# KiCad board BalloonMotherboardV4.1.kicad_pcb (continued)
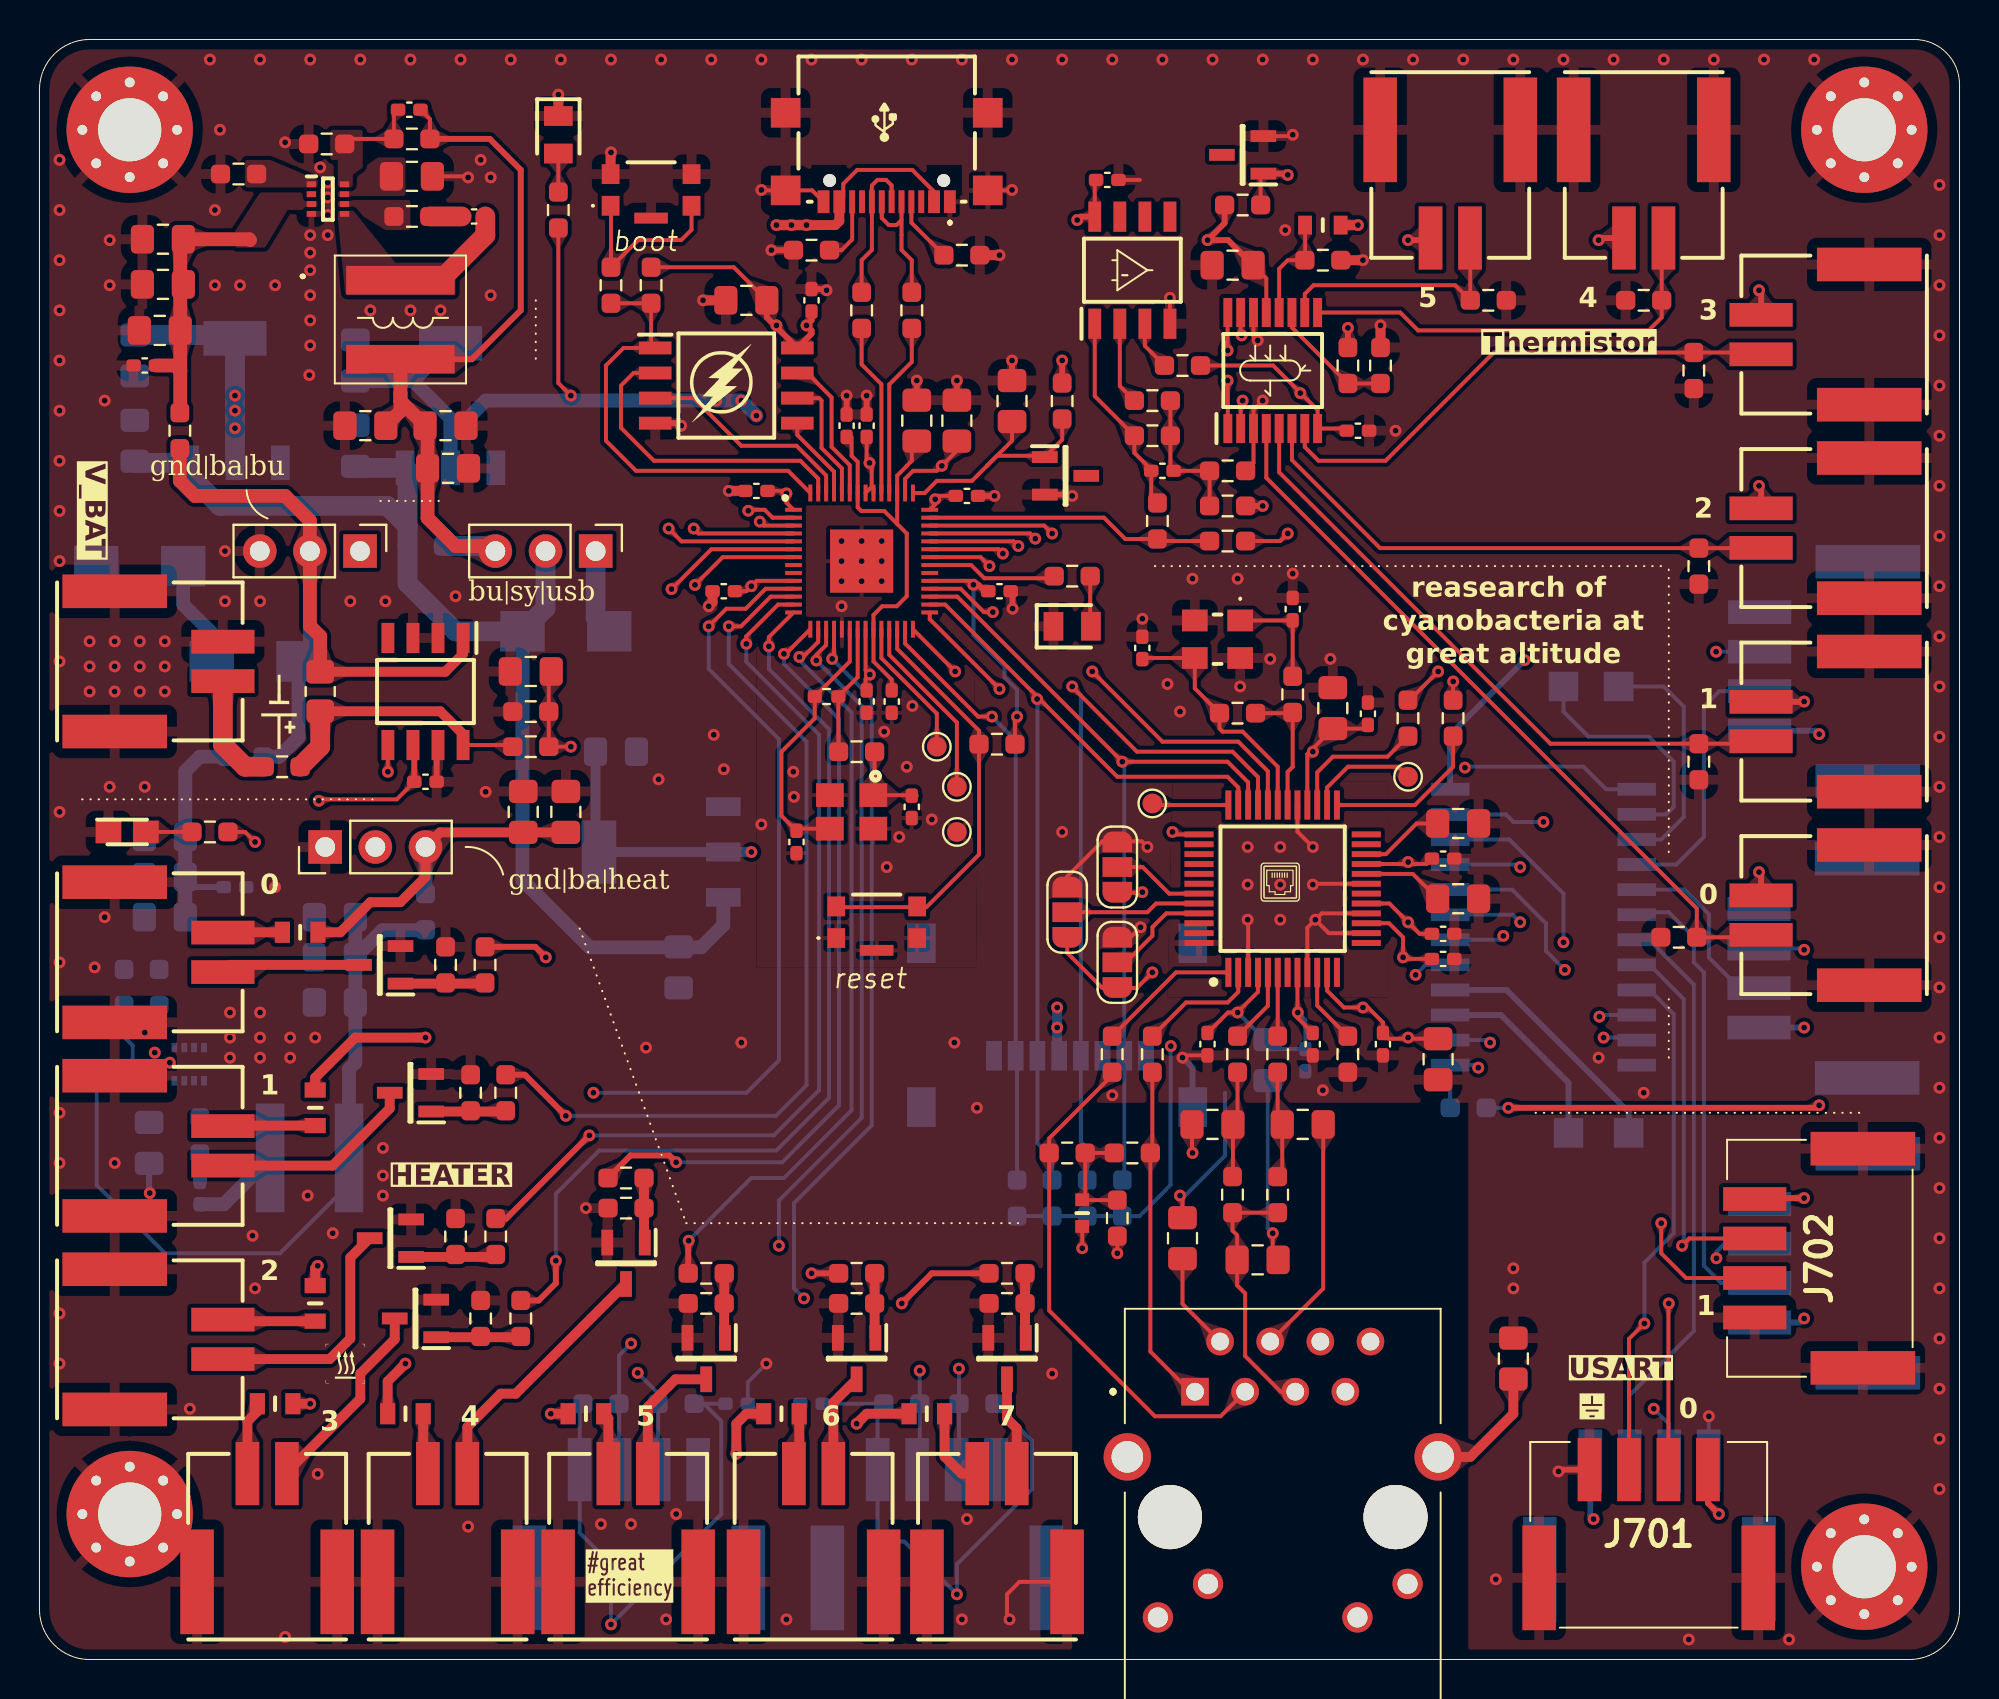
[diagram p0: board, top side]
## Placement (name value [footprint] x y rotation side) (continued)
Y501  ECS-250-6-33B2-CTP-TR  [ECS250633B2CTPTR]  59.69 51.67 180 top

## Library data of the parts
5sys0 5sys201 = -: Description: Light emitting diode; Height: 1.2; Mouser Part Number: 604-APTD2012LCGCK; Mouser Price/Stock: https://www.mouser.co.uk/ProductDetail/Kingbright/APTD2012LCGCK?qs=AQlKX63v8RvNHN%2F9EGvNTg%3D%3D; Manufacturer_Name: Kingbright; ki_fp_filters: LED* LED_SMD:* LED_THT:*
bat201 = -: Description: Light emitting diode; Height: 1.2; Mouser Part Number: 604-APTD2012LSURCK; Mouser Price/Stock: https://www.mouser.co.uk/ProductDetail/Kingbright/APTD2012LSURCK?qs=AQlKX63v8RvkMadNvwbkxw%3D%3D; Manufacturer_Name: Kingbright; ki_fp_filters: LED* LED_SMD:* LED_THT:*
BUCK201 BUCK601 = -: Datasheet: https://www.ti.com/lit/ds/symlink/tps62933.pdf?ts=1626073394234; Description: The TPS62933 is a high-efficiency, easy-to-use synchronous buck converter with a wide input voltage range of 3.8 V to 30 V; Height: 0.6; Mouser Part Number: 595-TPS62933DRLR; Mouser Price/Stock: https://www.mouser.co.uk/ProductDetail/Texas-Instruments/TPS62933DRLR?qs=Rp5uXu7WBW9fv47wfQVntQ%3D%3D; Manufacturer_Name: Texas Instruments
BuckJmp201 BuckJmp601 JB_or_U201 = -: Description: Generic connector, single row, 01x03, script generated (kicad-library-utils/schlib/autogen/connector/); ki_fp_filters: Connector*:*_1x??_*
C201-C218 C301-C317 C401-C404 C501-C520 C601 C604-C613 = -: Description: Unpolarized capacitor; ki_fp_filters: C_*
D201-D203 = -: Description: Zener diode; Height: 2.45; Mouser Part Number: 755-RBR2LB60BTBR1; Mouser Price/Stock: https://www.mouser.co.uk/ProductDetail/ROHM-Semiconductor/RBR2LB60BTBR1?qs=amGC7iS6iy9Lm0eQxx5KdA%3D%3D; Manufacturer_Name: ROHM Semiconductor; ki_fp_filters: TO-???* *_Diode_* *SingleDiode* D_*
F601-F608 = -: Description: Fuse, small symbol; Height: 0.7; Mouser Part Number: 652-MF-FSML100/8-2; Mouser Price/Stock: https://www.mouser.co.uk/ProductDetail/Bourns/MF-FSML100-8-2?qs=EBDBlbfErPzIwKpEUXHByQ%3D%3D; Manufacturer_Name: Bourns; Manufacturer_Part_Number: MF-FSML100/8-2; ki_fp_filters: *Fuse*
FB501 = -: Description: Ferrite bead; Height: 0.95; Mouser Part Number: 81-BLM18SP102SZ1D; Mouser Price/Stock: https://www.mouser.co.uk/ProductDetail/Murata-Electronics/BLM18SP102SZ1D?qs=W%2FMpXkg%252BdQ7HBmR7E%252BlIwg%3D%3D; Manufacturer_Name: Murata Electronics; ki_fp_filters: Inductor_* L_* *Ferrite*
FLA301 = -: Datasheet: http://www.winbond.com/resource-files/w25q128jv_dtr%20revc%2003272018%20plus.pdf; Description: 128Mb Serial Flash Memory, Standard/Dual/Quad SPI, SOIC-8; ki_fp_filters: SOIC*5.23x5.23mm*P1.27mm*
GPIO301 GPIO302 J701-J706 = -: Datasheet: https://www.molex.com/webdocs/datasheets/pdf/en-us/5023520400_PCB_HEADERS.pdf; Description: Molex DURACLIK 502352, 2mm Pitch, 4 Way, 1 Row, Right Angle PCB Header, Surface Mount; Height: 6; Mouser Part Number: 538-502352-0400; Mouser Price/Stock: https://www.mouser.co.uk/ProductDetail/Molex/502352-0400?qs=trbuaetfxXR36zZJ3J6CsQ%3D%3D; Manufacturer_Name: Molex
H0_M101 H2_M101 H2_M102 H3_M101 = -: Description: Mounting Hole with connection; ki_fp_filters: MountingHole*Pad*
HEAT_CON601-HEAT_CON608 NTC401-NTC406 = -: Description: Generic connectable mounting pin connector, single row, 01x02, script generated (kicad-library-utils/schlib/autogen/connector/); Mouser Part Number: 538-502352-0200; Mouser Price/Stock: https://www.mouser.co.uk/ProductDetail/Molex/502352-0200?qs=cPOO8qjhL6OPJnOOkJoW%252Bw%3D%3D; Manufacturer_Name: Molex; ki_fp_filters: Connector*:*_1x??-1MP*
IC201 = -: Datasheet: http://www.ti.com/lit/gpn/INA240-Q1; Description: AEC-Q100, 80V, Low-/High-Side, Bi-Directional, Zero-Drift, CSA w/Enhanced PWM Rejection; Height: 1.75; Mouser Part Number: 595-INA240A3EDRQ1; Mouser Price/Stock: https://www.mouser.co.uk/ProductDetail/Texas-Instruments/INA240A3EDRQ1?qs=yBt6ao%2FxsTxM2fxxT9CMIw%3D%3D; Manufacturer_Name: Texas Instruments
inrushcurrentlimit201 J0 J5-J7 J201 J401 R0 R201-R209 R307-R310 R313 R314 R401-R411 R413 R505-R518 R601-R605 = -: Description: Resistor, small symbol; ki_fp_filters: R_*
J501 = -: Datasheet: http://wizwiki.net/wiki/lib/exe/fetch.php?media=products:wiz550web:wiz550webds_kr:j1b1211ccd.pdf; Description: LAN Transformer Jack, RJ45, 10/100 BaseT; Mouser Part Number: 950-J1B1211CCD; ki_fp_filters: RJ45*Wuerth*7499010121A*
JH501-JH503 = -: Description: Jumper, 3-pole, pins 1+2 closed/bridged; ki_fp_filters: Jumper* TestPoint*3Pads* TestPoint*Bridge*
L101 = -: Description: Mounting Hole without connection; ki_fp_filters: MountingHole*
L201 L601 = -: Description: Inductor, small symbol; Height: 6.1; Mouser Part Number: 710-74439346068; Mouser Price/Stock: https://www.mouser.co.uk/ProductDetail/Wurth-Elektronik/74439346068?qs=NSAOzM2zc%2FVj5BeHYKNgfQ%3D%3D; Manufacturer_Name: Wurth Elektronik; ki_fp_filters: Choke_* *Coil* Inductor_* L_*
LAN501 = -: Datasheet: http://wizwiki.net/wiki/lib/exe/fetch.php?media=products:w5500:w5500_ds_v106e_141230.pdf; Description: Ethernet ICs 3in1 Enet Controller TCP/IP +MAC+PHY; Height: 1.6; Mouser Part Number: 950-W5500; Mouser Price/Stock: https://www.mouser.co.uk/ProductDetail/WIZnet/W5500?qs=2vh%252B45pPFtzthUpYPd4pqA%3D%3D; Manufacturer_Name: WIZnet Inc
LRlan201 LRre201 LRuC201 = -: Datasheet: http://www.onsemi.com/pub/Collateral/NCP1117-D.PDF; Description: ON SEMICONDUCTOR - NCP1117ST33T3G - IC, LINEAR VOLTAGE REGULATOR; Height: 1.8; Mouser Part Number: 863-NCP1117ST33T3G; Mouser Price/Stock: https://www.mouser.co.uk/ProductDetail/onsemi/NCP1117ST33T3G?qs=Gev%252BmEvV0iZb%2FE8ahUDx3w%3D%3D; Manufacturer_Name: onsemi
MUX401 = -: Datasheet: http://www.ti.com/lit/ds/symlink/tmux1108.pdf; Description: Analog Switch ICs 5V / +/-2.5V, 8:1, low-leakage precision multiplexer 16-TSSOP -40 to 125; Height: 1.2; Mouser Part Number: 595-TMUX1108PWR; Mouser Price/Stock: https://www.mouser.co.uk/ProductDetail/Texas-Instruments/TMUX1108PWR?qs=PqoDHHvF6486MXIgK4oQ5g%3D%3D; Manufacturer_Name: Texas Instruments
OP401 = -: Description: Dual operational amplifier; Sim.Name: kicad_builtin_opamp_dual; Sim.Device: SUBCKT; Sim.Pins: 1=out1 2=in1- 3=in1+ 4=vee 5=in2+ 6=in2- 7=out2 8=vcc; ki_fp_filters: SOIC*3.9x4.9mm*P1.27mm* DIP*W7.62mm* MSOP*3x3mm*P0.65mm* SSOP*2.95x2.8mm*P0.65mm* TSSOP*3x3mm*P0.65mm* VSSOP*P0.5mm* TO?99*
Q601-Q608 = -: Datasheet: https://www.infineon.com/dgdl/irlml6344pbf.pdf?fileId=5546d462533600a4015356689c44262c; Description: IRLML6344TRPBF N-channel MOSFET Transistor, 5 A, 30 V, 3-Pin SOT-23; Height: 1.12; Mouser Part Number: 942-IRLML6344TRPBF; Mouser Price/Stock: https://www.mouser.co.uk/ProductDetail/Infineon-Technologies/IRLML6344TRPBF?qs=9%252BKlkBgLFf2w4qS48UOXVw%3D%3D; Manufacturer_Name: Infineon
R301-R306 R311 R312 R501-R504 R607-R622 R701 = -: Description: Resistor; ki_fp_filters: R_*
R412 = -: Description: Zdiode Cur limiter; ki_fp_filters: R_*
R_shunt201 = -: Datasheet: https://www.mouser.de/ProductDetail/Wurth-Elektronik/580060720008?qs=unwgFEO1A6tt8z0EuZ69zQ%3D%3D; Description: Resistor, small symbol; Mouser Part Number: 710-580060720008; ki_fp_filters: R_*
RT401 = -: Description: Temperature dependent resistor, negative temperature coefficient; Height: 0.9; Mouser Part Number: 810-NTCGS163JF103FT8; Mouser Price/Stock: https://www.mouser.co.uk/ProductDetail/TDK/NTCGS163JF103FT8?qs=dbcCsuKDzFU4pk95bZlq7w%3D%3D; Manufacturer_Name: TDK; ki_fp_filters: *NTC* *Thermistor* PIN?ARRAY* bornier* *Terminal?Block* R_*
S_BOOT301 S_RES301 = -: Datasheet: https://www.we-online.com/catalog/datasheet/435441019830.pdf; Description: Tactile Switches WS-TASV Tact Switch Washable 4.1x2.8x1.9 mm SMT; Height: 1.9; Mouser Part Number: 710-435441019830; Mouser Price/Stock: https://www.mouser.co.uk/ProductDetail/Wurth-Elektronik/435441019830?qs=ufv2HEpFn%252BQgnhl%2FsZ0Vfw%3D%3D; Manufacturer_Name: Wurth Elektronik
SD501 = -: Datasheet: https://www.we-online.de/katalog/datasheet/693072010801.pdf; Description: Micro SD Card Socket; Mouser Part Number: 710-693072010801; ki_fp_filters: microSD*
TP301-TP303 TP501 TP502 TP701-TP704 = -: Description: test point; ki_fp_filters: Pin* Test*
U701 = -: Datasheet: http://www.ti.com/lit/ds/symlink/cd4097b.pdf; Description: CMOS double 8-channel analog multiplexer/demultiplexer, TSSOP-24/DIP-24/SOIC-24; ki_fp_filters: TSSOP*4.4x7.8mm*P0.65mm* SOIC*7.5*15.4*1.27mm* SO*5.3x15.0mm*P1.27mm* DIP*15.24mm*
uC301 = -: Description: Microcontrollers connect the world of software to the world of hardware. They allow developers to write software which interacts with the physical world in the same deterministic, cycle-accurate manner as digital logic. They occupy the bottom left corner of the price/performance space, outselling their more powerful brethren by a factor of ten to one. They are the workhorses that power the digital transformation of our world.; Height: 0.9; Mouser Part Number: 358-SC09147; Mouser Price/Stock: https://www.mouser.co.uk/ProductDetail/Raspberry-Pi/SC09147?qs=T%252BzbugeAwjhSpdbCB4ve%252Bg%3D%3D; Manufacturer_Name: RASPBERRY-PI; Manufacturer_Part_Number: SC0914(7)
USB_C301 = -: Datasheet: https://cdn.amphenol-cs.com/media/wysiwyg/files/drawing/gsb1c41x10sshr-ax1.pdf; Description: USB2.0, Type C, Top mount, Center Height 1.63mm, Single Row Surface Mount; Height: 3.41; Manufacturer_Name: Amphenol Communications Solutions
V_BAT201 = -: Description: Generic connector, single row, 01x04, script generated; Mouser Part Number: 538-502352-0200; Mouser Price/Stock: https://www.mouser.co.uk/ProductDetail/Molex/502352-0200?qs=cPOO8qjhL6OPJnOOkJoW%252Bw%3D%3D; Manufacturer_Name: Molex; ki_fp_filters: Connector*:*_1x??_*
Vref301 = -: Datasheet: http://www.ti.com/lit/gpn/lm4040-n; Description: Zener diode; Height: 1.12; Mouser Part Number: 926-LM4040BIM330NOPB; Mouser Price/Stock: https://www.mouser.co.uk/ProductDetail/Texas-Instruments/LM4040BIM3-3.0-NOPB?qs=QbsRYf82W3FThDimo07Imw%3D%3D; Manufacturer_Name: Texas Instruments; Manufacturer_Part_Number: LM4040BIM3-3.0/NOPB; ki_fp_filters: TO-???* *_Diode_* *SingleDiode* D_*
Vref401 = -: Description: Zener diode; Height: 1.12; Mouser Part Number: 926-LM4040BIM330NOPB; Mouser Price/Stock: https://www.mouser.co.uk/ProductDetail/Texas-Instruments/LM4040BIM3-3.0-NOPB?qs=QbsRYf82W3FThDimo07Imw%3D%3D; Manufacturer_Name: Texas Instruments; Manufacturer_Part_Number: LM4040BIM3-3.0/NOPB; ki_fp_filters: TO-???* *_Diode_* *SingleDiode* D_*
Y301 = -: Description: Four pin crystal, GND on pins 2 and 4; Height: 1; Mouser Part Number: 815-ABM8G-12-4YT3; Mouser Price/Stock: https://www.mouser.co.uk/ProductDetail/ABRACON/ABM8G-12.000MHZ-4Y-T3?qs=hxOQwdLlgepjgH1DpgEPEA%3D%3D; Manufacturer_Name: ABRACON; ki_fp_filters: Crystal*
Y501 = -: Datasheet: https://ecsxtal.com/products/crystals/surface-mount-crystals/ecs-250-6-33b2-ctp-tr; Description: 25 MHz +/-10ppm Crystal 6pF 40 Ohms 4-SMD, No Lead; Height: 0.8; Mouser Part Number: 520-250-6-33B2-CTPTR; Mouser Price/Stock: https://www.mouser.co.uk/ProductDetail/ECS/ECS-250-6-33B2-CTP-TR?qs=Jm2GQyTW%2FbgZ5JLysnRl1g%3D%3D; Manufacturer_Name: ECS

## Footprints (pads in the part's own frame, mm; a bottom-side part is the same pattern mirrored in y, then rotated)
5023520200
  rect 1.2x3.2 smd: 1(-1,-1) 2(1,-1)
  rect 1.7x5.3 smd: 3(-3.55,-6.48) 4(3.55,-6.48)
5023520400
  rect 1.2x3.2 smd: 1(3,3.265) 2(1,3.265) 3(-1,3.265) 4(-3,3.265)
  rect 1.7x5.3 smd: 5(-5.55,-2.215) 6(5.55,-2.215)
74439346068
  rect 5.5x1.45 smd: 1(0,2) 2(0,-2)
435441019830
  rect 0.9x1 smd: 1(2.05,0.8) 2(2.05,-0.8) 3(-2.05,-0.8) 4(-2.05,0.8)
  rect 1.7x0.55 smd: G1(0,1.425)
693072010801
  rect 0.8x1.5 smd: 1(3.2,-2.7) 2(2.1,-2.7) 3(1,-2.7) 4(-0.1,-2.7) 5(-1.2,-2.7) 6(-2.3,-2.7) 7(-3.4,-2.7) 8(-4.5,-2.7)
  rect 1.45x2 smd: MP1(6.875,-5.3) MP2(-6.875,-5.3) MP3(6.875,3) MP4(-6.875,3)
ABM8G
  rect 1.4x1.2 smd: 1(-1.1,-0.85) 2(1.1,-0.85) 3(1.1,0.85) 4(-1.1,0.85)
BLM18SP221SN1B
  rect 0.65x0.7 smd: 1(-0.675,0) 2(0.675,0)
C_0402_1005Metric_Pad0.74x0.62mm_HandSolder
  rrect 0.735x0.62 smd: 1(-0.568,0) 2(0.568,0)
C_0805_2012Metric_Pad1.18x1.45mm_HandSolder
  rrect 1.175x1.45 smd: 1(-1.038,0) 2(1.038,0)
DIOM5336X245N
  rect 2.25x2.05 smd: 1(-2.2,0) 2(2.2,0)
ECS250633B2CTPTR
  rect 1.3x1.1 smd: 1(-1.15,-0.95) 2(1.15,-0.95) 3(1.15,0.95) 4(-1.15,0.95)
FUSC1608X70N
  rect 0.77x1.07 smd: 1(-0.9,0) 2(0.9,0)
GSB1C41110SSHR
  round 0.65 hole 0.65 unplated: (-2.89,2.315) (2.89,2.315)
  rect 0.6x1.15 smd: A1(-3.2,3.39) A4(-2.4,3.39) A9(2.4,3.39) A12(3.2,3.39)
  rect 0.3x1.15 smd: A5(-1.25,3.39) A6(-0.25,3.39) A7(0.25,3.39) A8(1.25,3.39) B5(1.75,3.39) B6(0.75,3.39) B7(-0.75,3.39) B8(-1.75,3.39)
  rect 1.5x1.5 smd: MP1(-5.12,2.815) MP2(5.12,2.815) MP3(-5.12,-1.115) MP4(5.12,-1.115)
J1B1211CCD
  round 3.25 hole 3.25 unplated: (-5.715,0.1) (5.715,0.1)
  rect 1.4x1.4 hole 0.9: 1(-4.445,6.45)
  round 1.4 hole 0.9: 2(-3.175,8.99) 3(-1.905,6.45) 4(-0.635,8.99) 5(0.635,6.45) 6(1.905,8.99) 7(3.175,6.45) 8(4.445,8.99)
  round 1.53 hole 1.02: 9(-6.325,-4.98) 10(-3.785,-3.28) 11(3.785,-4.98) 12(6.325,-3.28)
  round 2.4 hole 1.6: 13(-7.875,3.15) 14(7.875,3.15)
LEDC2012X120N
  rect 1x1.45 smd: 1(-0.95,0) 2(0.95,0)
LEDM2012X120N
  rect 1.3x1.15 smd: 1(-0.95,0) 2(0.95,0)
MountingHole_3.2mm_M3_Pad_Via
  round 0.8 hole 0.5: 1(-2.4,0) 1(-1.697,1.697) 1(-1.697,-1.697) 1(0,2.4) 1(0,-2.4) 1(1.697,1.697) 1(1.697,-1.697) 1(2.4,0)
  round 6.4 hole 3.2: 1(0,0)
PinHeader_1x03_P2.54mm_Vertical
  rect 1.7x1.7 hole 1: 1(0,0)
  oval 1.7x1.7 hole 1: 2(0,-2.54) 3(0,-5.08)
QFN40P700X700X90-57N-D
  rect 0.85x0.2 smd: 1(-3.45,2.6) 2(-3.45,2.2) 3(-3.45,1.8) 4(-3.45,1.4) 5(-3.45,1) 6(-3.45,0.6) 7(-3.45,0.2) 8(-3.45,-0.2) 9(-3.45,-0.6) 10(-3.45,-1) 11(-3.45,-1.4) 12(-3.45,-1.8) 13(-3.45,-2.2) 14(-3.45,-2.6) 29(3.45,-2.6) 30(3.45,-2.2) 31(3.45,-1.8) 32(3.45,-1.4) 33(3.45,-1) 34(3.45,-0.6) 35(3.45,-0.2) 36(3.45,0.2) 37(3.45,0.6) 38(3.45,1) 39(3.45,1.4) 40(3.45,1.8) 41(3.45,2.2) 42(3.45,2.6)
  rect 0.2x0.85 smd: 15(-2.6,-3.45) 16(-2.2,-3.45) 17(-1.8,-3.45) 18(-1.4,-3.45) 19(-1,-3.45) 20(-0.6,-3.45) 21(-0.2,-3.45) 22(0.2,-3.45) 23(0.6,-3.45) 24(1,-3.45) 25(1.4,-3.45) 26(1.8,-3.45) 27(2.2,-3.45) 28(2.6,-3.45) 43(2.6,3.45) 44(2.2,3.45) 45(1.8,3.45) 46(1.4,3.45) 47(1,3.45) 48(0.6,3.45) 49(0.2,3.45) 50(-0.2,3.45) 51(-0.6,3.45) 52(-1,3.45) 53(-1.4,3.45) 54(-1.8,3.45) 55(-2.2,3.45) 56(-2.6,3.45)
  rect 3.2x3.2 smd: 57(0,0)
QFP50P900X900X160-48N
  rect 1.475x0.3 smd: 1(-4.238,2.75) 2(-4.238,2.25) 3(-4.238,1.75) 4(-4.238,1.25) 5(-4.238,0.75) 6(-4.238,0.25) 7(-4.238,-0.25) 8(-4.238,-0.75) 9(-4.238,-1.25) 10(-4.238,-1.75) 11(-4.238,-2.25) 12(-4.238,-2.75) 25(4.238,-2.75) 26(4.238,-2.25) 27(4.238,-1.75) 28(4.238,-1.25) 29(4.238,-0.75) 30(4.238,-0.25) 31(4.238,0.25) 32(4.238,0.75) 33(4.238,1.25) 34(4.238,1.75) 35(4.238,2.25) 36(4.238,2.75)
  rect 0.3x1.475 smd: 13(-2.75,-4.238) 14(-2.25,-4.238) 15(-1.75,-4.238) 16(-1.25,-4.238) 17(-0.75,-4.238) 18(-0.25,-4.238) 19(0.25,-4.238) 20(0.75,-4.238) 21(1.25,-4.238) 22(1.75,-4.238) 23(2.25,-4.238) 24(2.75,-4.238) 37(2.75,4.238) 38(2.25,4.238) 39(1.75,4.238) 40(1.25,4.238) 41(0.75,4.238) 42(0.25,4.238) 43(-0.25,4.238) 44(-0.75,4.238) 45(-1.25,4.238) 46(-1.75,4.238) 47(-2.25,4.238) 48(-2.75,4.238)
R_0402_1005Metric_Pad0.72x0.64mm_HandSolder
  rrect 0.715x0.64 smd: 1(-0.598,0) 2(0.598,0)
R_0603_1608Metric_Pad0.98x0.95mm_HandSolder
  rrect 0.975x0.95 smd: 1(-0.912,0) 2(0.912,0)
R_0805_2012Metric_Pad1.20x1.40mm_HandSolder
  rrect 1.2x1.4 smd: 1(-1,0) 2(1,0)
SOIC127P600X175-8N
  rect 1.528x0.65 smd: 1(-2.711,1.905) 2(-2.711,0.635) 3(-2.711,-0.635) 4(-2.711,-1.905) 5(2.711,-1.905) 6(2.711,-0.635) 7(2.711,0.635) 8(2.711,1.905)
SOIC127P790X216-8N
  rect 1.65x0.65 smd: 1(-3.6,1.905) 2(-3.6,0.635) 3(-3.6,-0.635) 4(-3.6,-1.905) 5(3.6,-1.905) 6(3.6,-0.635) 7(3.6,0.635) 8(3.6,1.905)
SOIC127P1030X265-24N
  rect 1.95x0.65 smd: 1(-4.725,6.985) 2(-4.725,5.715) 3(-4.725,4.445) 4(-4.725,3.175) 5(-4.725,1.905) 6(-4.725,0.635) 7(-4.725,-0.635) 8(-4.725,-1.905) 9(-4.725,-3.175) 10(-4.725,-4.445) 11(-4.725,-5.715) 12(-4.725,-6.985) 13(4.725,-6.985) 14(4.725,-5.715) 15(4.725,-4.445) 16(4.725,-3.175) 17(4.725,-1.905) 18(4.725,-0.635) 19(4.725,0.635) 20(4.725,1.905) 21(4.725,3.175) 22(4.725,4.445) 23(4.725,5.715) 24(4.725,6.985)
SolderJumper-3_P1.3mm_Open_RoundedPad1.0x1.5mm_NumberLabels
  custom 1.05x1.5 smd: 1(-1.3,0) 3(1.3,0)
  rect 1x1.5 smd: 2(0,0)
SOP65P640X120-16N
  rect 1.475x0.45 smd: 1(-2.938,2.275) 2(-2.938,1.625) 3(-2.938,0.975) 4(-2.938,0.325) 5(-2.938,-0.325) 6(-2.938,-0.975) 7(-2.938,-1.625) 8(-2.938,-2.275) 9(2.938,-2.275) 10(2.938,-1.625) 11(2.938,-0.975) 12(2.938,-0.325) 13(2.938,0.325) 14(2.938,0.975) 15(2.938,1.625) 16(2.938,2.275)
SOT95P237X112-3N
  rect 1.3x0.6 smd: 1(-1.05,0.95) 2(-1.05,-0.95) 3(1.05,0)
SOT230P700X180-4N
  rect 1.75x0.95 smd: 1(-3.15,2.3) 2(-3.15,0) 3(-3.15,-2.3)
  rect 1.75x3.2 smd: 4(3.15,0)
SOTFL50P160X60-8N
  rect 0.475x0.3 smd: 1(-0.838,0.75) 2(-0.838,0.25) 3(-0.838,-0.25) 4(-0.838,-0.75) 5(0.838,-0.75) 6(0.838,-0.25) 7(0.838,0.25) 8(0.838,0.75)
TestPoint_Pad_1.5x1.5mm
  rect 1.5x1.5 smd: 1(0,0)
TestPoint_Pad_D1.0mm
  round 1 smd: 1(0,0)
THRMC1608X90N
  rect 0.7x0.95 smd: 1(-0.9,0) 2(0.9,0)

## Nets
30V: BuckJmp201.2 BuckJmp601.2 D202.1 IC201.1 R205.2 R209.2 R603.2 R_shunt201.1
+1V1: C304.2 C313.1 C314.1 uC301.23 uC301.45 uC301.50
/3V3_rest: C215.2 C217.2 C312.1 C315.1 GPIO301.1 GPIO302.1 IC201.6 J701.1 J702.1 J703.1 J704.1 J705.1 J706.1 LRre201.2 LRre201.4 R307.2 R308.2 R309.2 R310.2 R701.1 U701.24
/3V3lan: C214.2 C501.2 C502.1 C503.2 C504.2 C505.2 C506.2 C507.2 C508.2 C509.2 C512.2 C513.2 FB501.2 J501.10 J501.12 JH501.1 JH502.1 JH503.1 LAN501.4 LAN501.8 LAN501.11 LAN501.15 LAN501.17 LAN501.21 LAN501.28 LAN501.37 LRlan201.2 LRlan201.4 R501.2 R502.2 R503.2 R504.2 SD501.4
/Heater/VIN: BUCK601.3 C606.2 C607.2 C608.2 C609.2 R603.1
/Power/3V3_uC: C203.2 C301.2 C302.1 C303.1 C305.1 C306.1 C307.1 C309.1 C310.1 C311.1 C401.1 C403.2 FLA301.8 LRuC201.2 LRuC201.4 MUX401.2 MUX401.13 OP401.8 R206.2 R301.1 R305.1 R306.1 R412.1 uC301.1 uC301.10 uC301.22 uC301.33 uC301.42 uC301.44 uC301.48 uC301.49
GND: 5sys0.1 5sys201.1 bat201.1 BUCK201.4 BUCK601.4 BuckJmp201.3 BuckJmp601.1 C202.1 C203.1 C204.1 C205.1 C206.1 C207.1 C209.1 C210.1 C211.1 C212.1 C213.1 C214.1 C215.1 C216.1 C217.1 C218.1 C301.1 C302.2 C303.2 C304.1 C305.2 C306.2 C307.2 C308.2 C309.2 C310.2 C311.2 C312.2 C313.2 C314.2 C315.2 C316.2 C317.2 C401.2 C403.1 C404.1 C501.1 C502.2 C503.1 C504.1 C505.1 C506.1 C507.1 C508.1 C509.1 C510.1 C511.1 C512.1 C513.1 C514.1 C516.1 C518.1 C519.1 C520.2 C604.1 C605.2 C606.1 C607.1 C608.1 C609.1 C610.1 C611.1 C612.1 C613.1 D203.2 FLA301.4 GPIO301.4 GPIO301.5 GPIO301.6 GPIO302.4 GPIO302.5 GPIO302.6 H0_M101.1 H2_M101.1 H2_M102.1 H3_M101.1 HEAT_CON601.3 HEAT_CON601.4 HEAT_CON602.3 HEAT_CON602.4 HEAT_CON603.3 HEAT_CON603.4 HEAT_CON604.3 HEAT_CON604.4 HEAT_CON605.3 HEAT_CON605.4 HEAT_CON606.3 HEAT_CON606.4 HEAT_CON607.3 HEAT_CON607.4 HEAT_CON608.3 HEAT_CON608.4 IC201.2 IC201.3 IC201.7 J701.4 J701.5 J701.6 J702.4 J702.5 J702.6 J703.4 J703.5 J703.6 J704.4 J704.5 J704.6 J705.4 J705.5 J705.6 J706.4 J706.5 J706.6 JH501.3 JH502.3 JH503.3 LAN501.3 LAN501.9 LAN501.14 LAN501.16 LAN501.19 LAN501.29 LAN501.48 LRlan201.1 LRre201.1 LRuC201.1 MUX401.3 MUX401.14 NTC401.3 NTC401.4 NTC402.3 NTC402.4 NTC403.3 NTC403.4 NTC404.3 NTC404.4 NTC405.3 NTC405.4 NTC406.3 NTC406.4 OP401.4 Q601.2 Q602.2 Q603.2 Q604.2 Q605.2 Q606.2 Q607.2 Q608.2 R203.2 R204.1 R208.2 R313.1 R314.1 R402.2 R403.2 R404.2 R405.2 R406.2 R407.2 R408.2 R409.2 R413.1 R512.1 R604.2 R605.1 R612.1 R614.1 R615.1 R616.1 R617.1 R618.1 R621.1 R622.1 S_BOOT301.2 S_BOOT301.3 S_BOOT301.G1 S_RES301.1 S_RES301.4 S_RES301.G1 SD501.6 SD501.MP1 SD501.MP2 SD501.MP3 SD501.MP4 TP303.1 U701.12 uC301.19 uC301.57 USB_C301.A1 USB_C301.A12 USB_C301.MP1 USB_C301.MP2 USB_C301.MP3 USB_C301.MP4 V_BAT201.1 V_BAT201.3 V_BAT201.4 Vref301.2 Vref401.2 Y301.2 Y301.4 Y501.2 Y501.4
Vbat: IC201.8 inrushcurrentlimit201.1 R207.1 R_shunt201.2
/A0: MUX401.1 U701.10 uC301.38
/A1: MUX401.16 U701.11 uC301.37
/A2: MUX401.15 U701.14 uC301.36
/EthernetaSD/cs_lan: LAN501.32 uC301.28
/EthernetaSD/cs_sd: R504.1 SD501.2 uC301.27
/EthernetaSD/E0: JH501.2 LAN501.45
/EthernetaSD/E1: JH502.2 LAN501.44
/EthernetaSD/E2: JH503.2 LAN501.43
/EthernetaSD/F-: FB501.1 R508.2 R509.2 R510.2
/EthernetaSD/LED_LAN_A: LAN501.27 R514.1
/EthernetaSD/LED_LAN_B: LAN501.25 R511.1
/EthernetaSD/miso_lan: LAN501.34 R501.1 SD501.7 uC301.31
/EthernetaSD/mosi_lan: LAN501.35 R503.1 SD501.3 uC301.30
/EthernetaSD/RCT: C520.1 J501.5 R517.1 R518.1
/EthernetaSD/RXN: C517.1 J501.6
/EthernetaSD/RXP: C515.1 J501.4
/EthernetaSD/sck_lan: LAN501.33 R502.1 SD501.5 uC301.29
/EthernetaSD/TCT: C514.2 J501.2 R510.1
/EthernetaSD/TXN: J501.3 R508.1 R513.1
/EthernetaSD/TXP: J501.1 R507.1 R509.1
/EthernetaSD/XI: LAN501.30 R505.1 R506.2
/EthernetaSD/Xo: C510.2 LAN501.31 R505.2 Y501.3
/Heater/BST: BUCK601.6 R601.1
/Heater/FB: BUCK601.8 R602.1 R605.2
/Heater/H0: R619.1 uC301.11
/Heater/H1: R608.1 uC301.12
/Heater/H2: R611.1 uC301.13
/Heater/H3: R613.1 uC301.14
/Heater/H4: R609.1 uC301.15
/Heater/H5: R610.1 uC301.16
/Heater/H6: R607.1 uC301.17
/Heater/H7: R620.1 uC301.18
/Heater/H_0_OUT: F607.2 HEAT_CON607.1
/Heater/H_1_OUT: F602.2 HEAT_CON602.1
/Heater/H_2_OUT: F605.2 HEAT_CON605.1
/Heater/H_3_OUT: HEAT_CON606.2 Q606.3
/Heater/H_4_OUT: F603.1 HEAT_CON603.1
/Heater/H_5_OUT: F604.2 HEAT_CON604.1
/Heater/H_6_OUT: F601.2 HEAT_CON601.1
/Heater/H_7_OUT: F608.2 HEAT_CON608.1
/Heater/RT: BUCK601.1 R604.1
/Heater/SS: BUCK601.7 C610.2
/Heater/SW: BUCK601.5 C601.1 L601.1
/Heater/Vs_Heat: BuckJmp601.3 C604.2 C605.1 F601.1 F602.1 F603.2 F604.1 F605.1 F606.1 F607.1 F608.1 J0.1
/MUX_Enable: R701.2 U701.13 uC301.32
/Power/ADC_curr: IC201.5 uC301.39
/Power/ADC_volt: C218.2 R207.2 R208.1 uC301.40
/Power/BST: BUCK201.6 R201.1
/Power/FB: BUCK201.8 C208.2 R202.1 R204.2
/Power/RT: BUCK201.1 R203.1
/Power/SS: BUCK201.7 C209.2
/Power/SW: BUCK201.5 C201.1 L201.1
/Power/V_usb: D201.2 JB_or_U201.1 USB_C301.A4 USB_C301.A9
/Power/VBUCK: BuckJmp201.1 C208.1 C210.2 C211.2 C212.2 J201.2 JB_or_U201.3 L201.2 R202.2
/Power/VSys: C202.2 C213.2 C216.2 D201.1 J201.1 JB_or_U201.2 LRlan201.3 LRre201.3 LRuC201.3
/Prozessor/GPIO7: uC301.9
/Prozessor/QSPI_SCLK: FLA301.6 uC301.52
/Prozessor/QSPI_SD0: FLA301.5 uC301.53
/Prozessor/QSPI_SD1: FLA301.2 uC301.55
/Prozessor/QSPI_SD2: FLA301.3 uC301.54
/Prozessor/QSPI_SD3: FLA301.7 uC301.51
/Prozessor/QSPI_SS: FLA301.1 R301.2 R304.1 uC301.56
/Prozessor/RUN: R306.2 S_RES301.2 S_RES301.3 uC301.26
/Prozessor/scl1: GPIO301.3 R307.1 uC301.5
/Prozessor/scl2: GPIO302.3 R309.1 uC301.7
/Prozessor/sda1: GPIO301.2 R308.1 uC301.4
/Prozessor/sda2: GPIO302.2 R310.1 uC301.6
/Prozessor/SWCLK: TP301.1 uC301.24
/Prozessor/SWD: TP302.1 uC301.25
/Prozessor/USB_D+: R302.1 USB_C301.A6 USB_C301.B6
/Prozessor/USB_D-: R303.1 USB_C301.A7 USB_C301.B7
/Prozessor/vol_Temp: J7.1 J401.1 uC301.41
/Prozessor/XIN: C316.1 R311.1 uC301.20 Y301.3
/Prozessor/XOUT: R311.2 R312.2 uC301.21
/Prozessor/~{USB_BOOT}: R304.2 S_BOOT301.1 S_BOOT301.4
/RX: U701.1 uC301.3
/Sensors/NTC0: MUX401.4 NTC401.1 R402.1
/Sensors/NTC1: MUX401.5 NTC404.1 R403.1
/Sensors/NTC2: MUX401.6 NTC402.1 R404.1
/Sensors/NTC3: MUX401.7 NTC405.1 R405.1
/Sensors/NTC4: MUX401.9 NTC403.1 R406.1
/Sensors/NTC5: MUX401.10 NTC406.1 R407.1
/Sensors/NTC6: MUX401.12 R408.1 RT401.1
/Sensors/NTC7: MUX401.11 R401.1 R409.1
/Sensors/ntc -: C404.2 J6.2 J401.2 MUX401.8
/Sensors/ntc+: NTC401.2 NTC402.2 NTC403.2 NTC404.2 NTC405.2 NTC406.2 R401.2 R410.1 R412.2 RT401.2 Vref401.1
/Sensors/op-: C402.2 J5.1 R410.2 R411.2 R413.2
/TX: U701.17 uC301.2
/USART_SPLITTER/RX0: J701.3 U701.9
/USART_SPLITTER/RX1: J702.2 U701.8
/USART_SPLITTER/RX2: J703.2 U701.7
/USART_SPLITTER/RX3: J704.2 U701.6
/USART_SPLITTER/RX4: J705.2 U701.5
/USART_SPLITTER/RX5: J706.2 U701.4
/USART_SPLITTER/RX6: TP701.1 U701.3
/USART_SPLITTER/RX7: TP703.1 U701.2
/USART_SPLITTER/TX0: J701.2 U701.23
/USART_SPLITTER/TX1: J702.3 U701.22
/USART_SPLITTER/TX2: J703.3 U701.21
/USART_SPLITTER/TX3: J704.3 U701.20
/USART_SPLITTER/TX4: J705.3 U701.19
/USART_SPLITTER/TX5: J706.3 U701.18
/USART_SPLITTER/TX6: TP702.1 U701.16
/USART_SPLITTER/TX7: TP704.1 U701.15
Net-(5sys0-A): 5sys0.2 R0.1
Net-(5sys201-A): 5sys201.2 R206.1
Net-(bat201-A): bat201.2 R205.1
Net-(BUCK201-VIN): BUCK201.3 C204.2 C205.2 C206.2 C207.2 R209.1
Net-(C201-Pad2): C201.2 R201.2
Net-(C317-Pad1): C317.1 R312.1 Y301.1
Net-(C402-Pad1): C402.1 J7.2 OP401.1 R411.1
Net-(C515-Pad2): C515.2 R515.1 R517.2
Net-(C516-Pad2): C516.2 J501.8 J501.13 J501.14
Net-(C517-Pad2): C517.2 R516.1 R518.2
Net-(C601-Pad2): C601.2 R601.2
Net-(C611-Pad2): C611.2 C612.2 C613.2 J0.2 L601.2 R602.2
Net-(D202-A): D202.2 D203.1
Net-(HEAT_CON601-Pin_2): HEAT_CON601.2 Q601.3
Net-(HEAT_CON602-Pin_2): HEAT_CON602.2 Q602.3
Net-(HEAT_CON603-Pin_2): HEAT_CON603.2 Q603.3
Net-(HEAT_CON604-Pin_2): HEAT_CON604.2 Q604.3
Net-(HEAT_CON605-Pin_2): HEAT_CON605.2 Q605.3
Net-(HEAT_CON606-Pin_1): F606.2 HEAT_CON606.1
Net-(HEAT_CON607-Pin_2): HEAT_CON607.2 Q607.3
Net-(HEAT_CON608-Pin_2): HEAT_CON608.2 Q608.3
Net-(J501-Pad9): J501.9 R514.2
Net-(J501-Pad11): J501.11 R511.2
Net-(LAN501-1V2O): C518.2 LAN501.22
Net-(LAN501-DUPLED): LAN501.26 TP502.1
Net-(LAN501-EXRES1): LAN501.10 R512.2
Net-(LAN501-INTN): LAN501.36 TP501.1
Net-(LAN501-RXN): LAN501.5 R516.2
Net-(LAN501-RXP): LAN501.6 R515.2
Net-(LAN501-TOCAP): C519.2 LAN501.20
Net-(LAN501-TXN): LAN501.1 R513.2
Net-(LAN501-TXP): LAN501.2 R507.2
Net-(OP401A-+): J6.1 OP401.3
Net-(OP401A--): J5.2 OP401.2
Net-(Q601-G): Q601.1 R607.2 R612.2
Net-(Q602-G): Q602.1 R608.2 R614.2
Net-(Q603-G): Q603.1 R609.2 R615.2
Net-(Q604-G): Q604.1 R610.2 R616.2
Net-(Q605-G): Q605.1 R611.2 R617.2
Net-(Q606-G): Q606.1 R613.2 R618.2
Net-(Q607-G): Q607.1 R619.2 R621.2
Net-(Q608-G): Q608.1 R620.2 R622.2
Net-(uC301-GPIO23): R0.2 uC301.35
Net-(uC301-USB_DM): R303.2 uC301.46
Net-(uC301-USB_DP): R302.2 uC301.47
Net-(USB_C301-CC1): R313.2 USB_C301.A5
Net-(USB_C301-CC2): R314.2 USB_C301.B5
Net-(V_BAT201-Pin_2): inrushcurrentlimit201.2 V_BAT201.2
Net-(Vref301-K): C308.1 R305.2 uC301.43 Vref301.1
Net-(Y501-IN/OUT): C511.2 R506.1 Y501.1

Pads without a net: BUCK201 2; BUCK601 2; IC201 4; J501 7; LAN501 7 12 13 18 23 24 38 39 40 41 42 46 47; OP401 5 6 7; SD501 1 8; uC301 8 34; USB_C301 A8 B8; Vref301 3; Vref401 3

## Via types
v1: diameter 0.6, hole 0.3, Top to Bottom, 395 vias

## Routing (per net, layer and track width the routed paths; a pad name or vN(x,y) marks a point on that pad's centre or on a via; arc(x,y) is an arc through that point)
30V: length 62.2
  Top w0.2: R205.2 10.41,41.91 v1(10.92,41.4) ; IC201.1 21.46,51.29
  Top w0.5: IC201.1 21.46,50.93 20.56,50.02 R_shunt201.1
  Top w0.7: 14.22,50.27 14.22,51.82 13.7,52.34 BuckJmp201.2 13.7,57.67 12.45,58.93 7.87,58.93 7.11,59.69 R209.2
  In1.Cu w0.2: 17.02,42.04 16.38,42.67 12.19,42.67 v1(10.92,41.4)
  In1.Cu w1: BuckJmp601.2 17.02,42.04 13.7,45.35 BuckJmp201.2
  Bottom w0.7: BuckJmp201.2 13.7,51.13 D202.1 13.12,46.7 12.14,45.72 R603.2
+1V1: length 20.7
  Top w0.2: 43.46,57.51 43.94,57.02 43.94,53.85 43.43,53.34 42.7,53.34 42.26,52.9 uC301.23 42.26,50.55 43.18,49.62 C314.1 ; 43.46,57.51 42.8,58.17 41.64,58.17 41.46,58.35 uC301.50 41.46,60.65 41.15,60.96 41.15,61.92 ; 43.46,57.51 uC301.45 43.46,59.96 43.94,60.44 43.94,60.45 44.2,60.71 44.2,61.7
/3V3_rest: length 422
  Top w0.2: v1(14.15,43.49) 14.22,43.56 18.1,43.56 C215.2
  Top w0.3: J701.1 84.53,7.92 v1(85.09,7.37) ; IC201.6 18.99,46.24 C215.2 ; v1(74.42,27.94) 90.04,27.94 v1(90.17,28.07) ; J702.1 86.95,23.37 v1(89.41,23.37)
  In1.Cu w0.2: 46.48,3.2 44.2,0.92 ; 28.07,0.92 28.67,1.52 28.7,1.52 v1(28.96,1.78) ; 7.49,42.93 8.26,43.69 13.95,43.69 v1(14.15,43.49)
  In1.Cu w0.3: v1(89.41,32) 89.66,32 90.16,31.51 ; 90.16,16.38 90.16,16.52 v1(89.41,17.27) ; v1(78.74,7.11) 78.74,0.89 81.09,3.24 ; v1(89.41,23.37) 90.16,22.62 90.16,22.1
  In1.Cu w0.5: 90.16,33.27 90.16,31.51 ; 90.16,33.27 90.16,46.85 v1(90.17,46.86) ; 90.16,33.27 90.16,28.08 v1(90.17,28.07) 90.16,28.06 90.16,21.84 ; 90.16,21.84 90.16,12.31 78.77,0.92 18.85,0.92 9.25,10.52 8.37,11.4 8.37,41.67 ; 90.16,21.84 90.16,22.1
  In1.Cu w0.7: 54.48,0.92 18.71,0.92 8.47,11.16 8.47,41.57 7.49,42.55 7.49,59.31 10.03,61.85 9.91,61.98 v1(9.91,64.01)
  In2.Cu w0.3: v1(90.17,46.86) 89.15,46.86 88.01,48.01 88.01,50.55 86.11,52.45 77.09,52.45 v1(75.25,50.61)
  Bottom w0.2: 34.8,12.95 33.06,12.95 ; 34.8,12.95 34.92,12.83 ; 34.8,12.95 C312.1 ; 33.06,12.95 32.99,13.02 ; 33.06,12.95 33.37,12.64 ; v1(89.41,23.37) 89.36,23.32 ; C315.1 R310.2 42.47,12.64 GPIO302.1 42.47,6.43 42.93,5.97 43.82,5.97 v1(46.48,3.3) 46.48,4.83 50.29,8.64 50.29,11.07 R309.2 48.41,13.1 48.47,13.15 ; R701.1 v1(74.42,27.94) ; 27.28,12.95 27.37,12.87 GPIO301.1 27.37,6.41 28.96,4.83 v1(28.96,1.78) 34.54,7.37 34.54,12.07 33.66,12.95 R307.2
  Bottom w0.3: v1(75.25,50.61) 71.47,46.84 U701.24 ; v1(78.74,7.11) 78.57,7.28 J703.1 ; J706.1 90,47.04 v1(90.17,46.86) ; v1(89.41,17.27) 89.2,17.07 J704.1 ; v1(89.41,32) J705.1
  Bottom w0.5: 71.47,44.07 U701.24
  Bottom w1: LRre201.2 v1(9.91,62.36) v1(9.91,63.25) v1(9.91,64.01) LRre201.4 9.73,67.08 C217.2
/3V3lan: length 138.6
  Top w0.2: LAN501.21 69.24,40.29 v1(69.34,40.39) 69.44,40.29 70.27,40.29 C507.2 ; LAN501.37 57.53,41.79 v1(57.4,41.91) ; v1(56.39,34.8) 55.6,34.01 JH501.1 53.85,34.01 52.07,35.79 JH502.1 ; LAN501.28 64.24,45.85 64.36,45.97 v1(64.52,45.97) 64.52,46.13 C513.2 67.12,47.14 C512.2 ; LAN501.17 68.39,38.29 v1(69.34,37.34) 69.93,36.75 C506.2 ; v1(55.88,38.86) 55.85,38.83 JH503.1 ; LAN501.8 63.74,32.78 v1(63.75,32.77) 63.74,32.75 63.74,32.5 C504.2 ; LAN501.15 68.38,37.29 69.09,36.58 v1(69.09,35.56) 69.34,35.56 69.42,35.48 C508.2 ; LAN501.11 65.24,33.87 66.09,33.02 v1(67.06,33.02) 67.31,33.02 68.07,32.26 C505.2 68.36,31.44 69.28,31.44 v1(69.34,31.5) 69.4,31.44 C509.2 ; C503.2 60.21,32.77 v1(60.71,32.77) 60.71,32.78 61.74,33.81 LAN501.4 ; FB501.2 v1(52.83,20.83)
  In1.Cu w0.2: 69.47,30.23 72.37,27.33 72.37,18.03 ; J501.10 J501.12 72.37,6.88 72.37,18.31
  In1.Cu w1: 50.8,39.12 37.85,39.12 v1(36.07,40.89)
  Bottom w0.2: R504.2 55.12,22.46 ; R501.2 55.73,22.46 57.31,24.04 57.31,31.06 v1(57.32,31.07) ; v1(60.71,32.77) 62.08,31.39 C501.2 62.7,30.92 C502.1 64.13,32.39 v1(63.75,32.77) ; v1(52.83,20.83) 52.83,22.2 R502.2
  Bottom w0.5: LRlan201.4 LRlan201.2 v1(36.07,40.89) ; LRlan201.4 28.17,41.07 C214.2 ; LRlan201.4 28.84,41.39 ; v1(51.56,33.02) v1(51.56,32) 51.56,30.67 SD501.4
/Heater/VIN: length 12
  Bottom w0.3: C607.2 7.9,39.12 C609.2
  Bottom w0.7: C608.2 C606.2 7.39,44.98 8.13,45.72 R603.1
/Power/3V3_uC: length 132.9
  Top w0.2: C301.2 35.18,70.51 R301.1 ; C309.1 41.86,49.14 41.86,49.66 v1(42.07,49.88) 41.86,50.1 uC301.22 ; uC301.33 47.37,54.63 47.89,54.1 ; uC301.48 42.26,59.29 42.16,59.38 ; MUX401.2 60.86,63.65 v1(60.96,63.75) ; C305.1 41.91,60.74 v1(42.06,60.6) 42.16,60.49 42.16,59.38 ; C403.2 53.47,74.86 53.47,73.07 ; 26.42,72.49 26.29,72.37 26.29,64.64 v1(26.92,64.01) ; uC301.44 43.86,59.79 44.26,60.2 45.47,60.2 v1(45.72,60.45) 46.48,61.21 C307.1 ; C311.1 45.55,58.93 v1(45.38,58.76) 45.38,58.5 uC301.42 ; 42.16,59.38 uC301.49 ; C401.1 62.16,69.94 MUX401.13 ; uC301.10 36.34,54.63 v1(36.07,54.36) 35.81,54.1 C306.1 ; C303.1 37.72,59.18 v1(37.85,59.06) 37.85,58.59 uC301.1 ; R306.1 49.43,47.65 v1(49.53,47.75)
  Top w0.3: R412.1 60.05,72.75 v1(59.18,71.88) 60.22,71.88 C401.1 ; C301.2 36.85,67.97 37.26,67.56 v1(37.34,67.56) 37.34,67.48 FLA301.8 39.12,67.14 39.12,67.31 v1(38.86,67.56) 39.12,67.82 C302.1 ; 53.47,73.07 52.75,73.07 v1(52.58,72.9) ; R305.1 v1(51.82,65.79) ; v1(47.32,54.43) 47.57,54.43 47.89,54.1 C310.1
  In2.Cu w0.3: 50.42,64.39 52.58,66.55 v1(52.58,72.9) ; 50.42,64.39 48.01,61.98 ; 50.42,64.39 v1(51.82,65.79) 57.91,71.88 v1(59.18,71.88) ; 48.01,61.98 47.5,61.47 ; 48.01,61.98 49.78,63.75 v1(60.96,63.75)
  Bottom w0.2: v1(47.32,54.43) 47.32,51.87 48.9,50.29 48.9,49.74 49.53,49.11 v1(49.53,47.75)
  Bottom w0.7: 18.93,64.75 20.83,62.85 LRuC201.2 20.83,61.98 22.61,63.75 v1(34.29,63.75) v1(35.56,63.75) v1(36.32,62.99) ; 18.93,64.75 C203.2 ; 18.93,64.75 LRuC201.4
